# Altium PCB PCB_power_unit.PcbDoc (part 1 of 2) (continued)
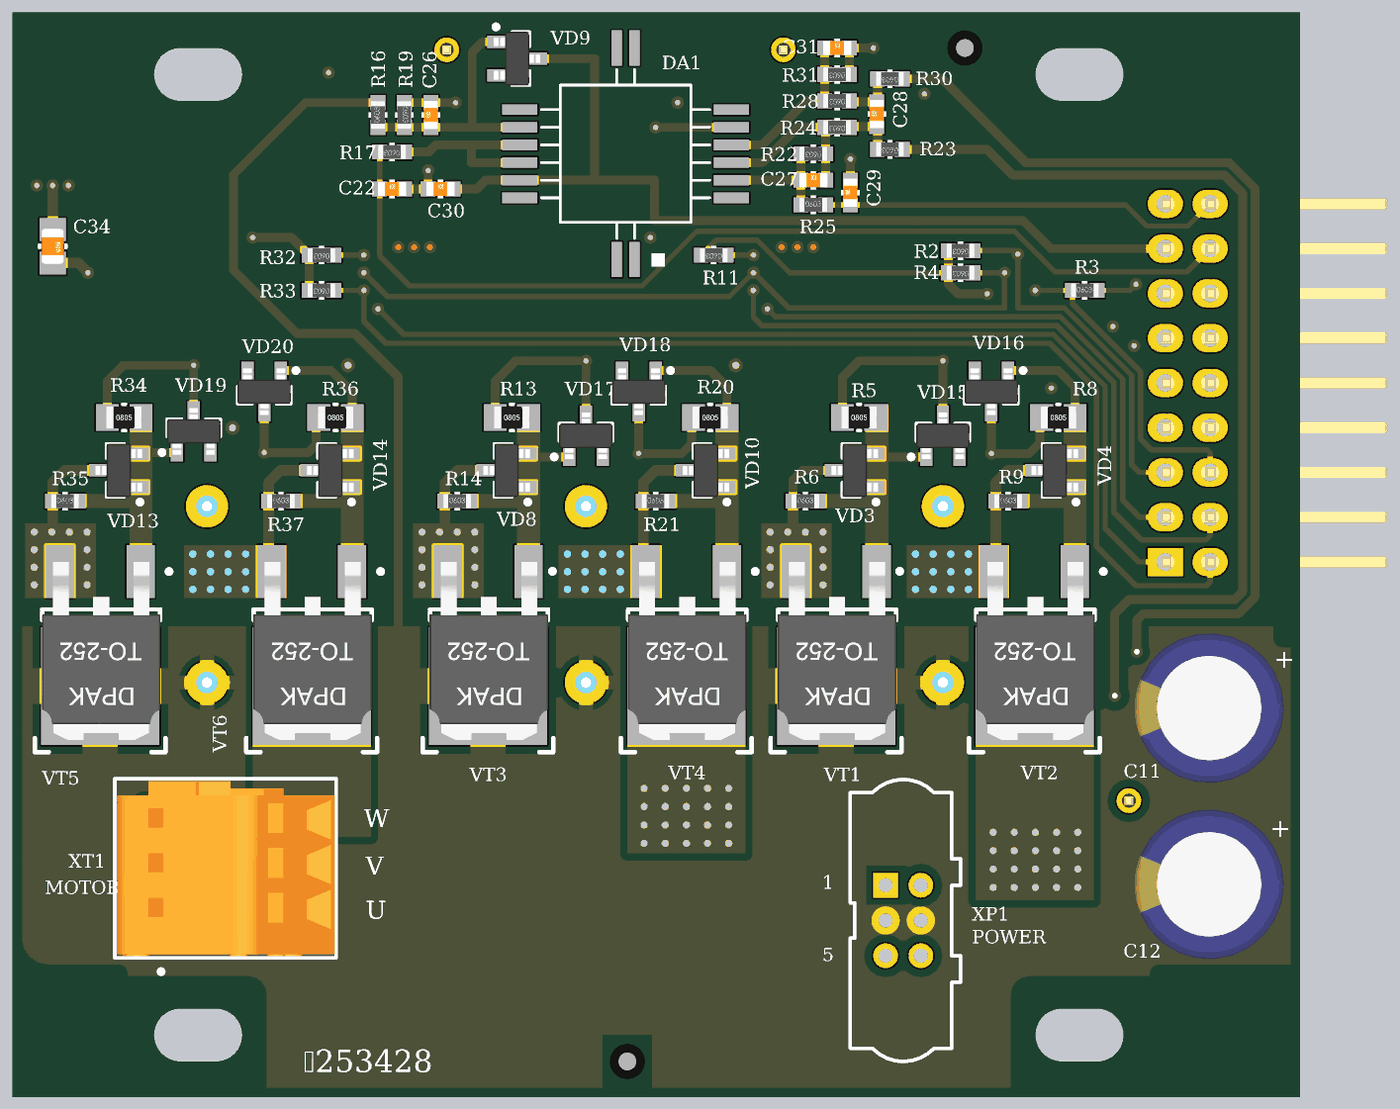
[diagram p6: 3D render of the assembled board from below, using the file's embedded part models]

## Layer stack, top to bottom
Top Solder: solder mask 0.0102, Solder Resist, Dk 3.5
Top Layer: signal copper 0.035
PREPREG1: prepreg 0.32, 2116+7628, Dk 4.2
INT1: signal copper 0.035
CORE1: core 0.71, FR-4, Dk 4.2
INT2: signal copper 0.035
PREPREG2: prepreg 0.32, 2116+7628, Dk 4.2
Bottom Layer: signal copper 0.035
Bottom Solder: solder mask 0.0102, Solder Resist, Dk 3.5

## Board outline
-11,-57.5 -11,-52.5 -19,-52.5 -19,-33.5 -18,-33.5 -18,-5 -11,-5 -11,0 cw(c-9,0) -9,2 46,2 cw(c46,0) 48,0 48,-5 52,-5 cw(c52,-7) 54,-7 54,-50.5 cw(c52,-50.5) 52,-52.5 48,-52.5 48,-57.5 cw(c46,-57.5) 46,-59.5 -9,-59.5 cw(c-9,-57.5)

## Design rules (kind name [scope] priority, off if disabled: settings)
AcuteAngle [All] p1: minimum=3.50000000000000E+0001 checktracksonly=FALSE
BoardOutlineClearance "BoardOutlineClearance 1" [All] p1: gap=0.5 ignorepadtopadclearanceinfootprint=FALSE except(0: Arc-SplitContinuation Track-SplitContinuation SMDPad-SplitContinuation THPad-SplitContinuation Via-SplitContinuation Fill-SplitContinuation Poly-SplitContinuation Region-SplitContinuation Text-SplitContinuation) // Milling
Clearance "KeepOutTrack to Polygon" [KeepoutRestrictionsTrack and OnBottom vs InPolygon] p1: gap=1 ignorepadtopadclearanceinfootprint=FALSE // зазор полигоном и ограничительной линией на Bot
Clearance "Clearance_+27V and PGND" [InNetClass('DCBUS') vs InNetClass('DCBUS')] p2: gap=0.5 ignorepadtopadclearanceinfootprint=FALSE // между 27В и PGND
Clearance Clearance_DCBUS [InNetClass('DCBUS') vs InNetClass('DCBUS')] p3: gap=0.5 ignorepadtopadclearanceinfootprint=FALSE // отступ от ЗПТ
Clearance Clearance_Phases [InNetClass('MotorPhases') vs InNetClass('MotorPhases')] p4: gap=0.4 ignorepadtopadclearanceinfootprint=FALSE // отступ от фаз мотора
Clearance Clearance_Polygon [InPolygon] p5: gap=0.4 ignorepadtopadclearanceinfootprint=FALSE except(0.35: Arc-Hole Track-Hole SMDPad-Hole THPad-Hole Via-Hole Fill-Hole Poly-Hole Region-Hole Text-Hole)
Clearance Clearance_MultiLayerPad [OnLayer('Multi-Layer') and IsPad] p6: gap=0.25 ignorepadtopadclearanceinfootprint=FALSE except(0.35: Arc-Hole Track-Hole SMDPad-Hole THPad-Hole Via-Hole Fill-Hole Poly-Hole Region-Hole Text-Hole)
Clearance "Clearance-1 1 Oz" [All] p7: gap=0.2 ignorepadtopadclearanceinfootprint=FALSE except(0.35: Arc-Hole Track-Hole SMDPad-Hole THPad-Hole Via-Hole Fill-Hole Poly-Hole Region-Hole Text-Hole) // Standart
ComponentClearance ComponentClearance_harwin [InComponent('XP1')] p1: gap=0.254 collisioncheckmode=3 verticalgap=2540 showdistances=FALSE
ComponentClearance ComponentClearance_caps [HasFootprint('CAP: 1210') vs HasFootprint('CAP: 1210')] p2: gap=-1 collisioncheckmode=3 verticalgap=2540 showdistances=FALSE
ComponentClearance [All] p3: gap=0.254 collisioncheckmode=3 verticalgap=0.254 showdistances=FALSE
DiffPairsRouting "DiffPairsRouting 1/2 Oz" [All] p1: maxlimit=0.254 minlimit=0.1 mostfreqgap=0.254 toplayer_minwidth=0.1 toplayer_maxwidth=0.381 toplayer_prefwidth=0.381 midlayer1_minwidth=0.1 midlayer1_maxwidth=0.381 midlayer1_prefwidth=0.381 midlayer2_minwidth=0.1 midlayer2_maxwidth=0.381 midlayer2_prefwidth=0.381 bottomlayer_minwidth=0.1 bottomlayer_maxwidth=0.381 bottomlayer_prefwidth=0.381 maxuncoupledlength=12.7
DiffPairsRouting "DiffPairsRouting 1 Oz" [All] p2: maxlimit=0.254 minlimit=0.2 mostfreqgap=0.254 toplayer_minwidth=0.2 toplayer_maxwidth=0.381 toplayer_prefwidth=0.381 midlayer1_minwidth=0.2 midlayer1_maxwidth=0.381 midlayer1_prefwidth=0.381 midlayer2_minwidth=0.2 midlayer2_maxwidth=0.381 midlayer2_prefwidth=0.381 bottomlayer_minwidth=0.2 bottomlayer_maxwidth=0.381 bottomlayer_prefwidth=0.381 maxuncoupledlength=12.7
DiffPairsRouting [All] p3: maxlimit=0.254 minlimit=0.15 mostfreqgap=0.254 toplayer_minwidth=0.15 toplayer_maxwidth=0.381 toplayer_prefwidth=0.381 midlayer1_minwidth=0.15 midlayer1_maxwidth=0.381 midlayer1_prefwidth=0.381 midlayer2_minwidth=0.15 midlayer2_maxwidth=0.381 midlayer2_prefwidth=0.381 bottomlayer_minwidth=0.15 bottomlayer_maxwidth=0.381 bottomlayer_prefwidth=0.381 maxuncoupledlength=12.7
HoleSize "Minimum HoleSize" [IsPad] p1: absolutevalues=TRUE maxlimit=5.9 minlimit=0.6 maxpercent=80.000 minpercent=20.000
HoleSize [All] p2: absolutevalues=TRUE maxlimit=5 minlimit=0.3 maxpercent=80.000 minpercent=20.000
HoleToHoleClearance Hole2HoleClearance [All] p1: gap=0.25 allowstackedmicrovias=FALSE
MinimumAnnularRing MinimumAnnularRing_1 [All] p1: minimumring=0.2 // Standart
MinimumSolderMaskSliver "SolderMask Bridge Standart" [All] p1: minsoldermaskwidth=0.15 // All Masks
PlaneClearance [All] p1: clearance=0.5
PlaneConnect [All] p1: planeconnectstyle=Relief reliefexpansion=0.5 reliefentries=4 reliefconductorwidth=0.3 reliefairgap=0.2
PolygonConnect PolygonConnect_direct [All vs InPadClass('PowerPAD') or InComponent('XP1')] p1: connectstyle=Direct reliefconductorwidth=1 reliefentries=4 polygonreliefangle="90 Angle" airgapwidth=0.3
PolygonConnect "PolygonConnect to +27V" [HasFootprint('DPAK') and InNet('+27V')] p2: connectstyle=Relief reliefconductorwidth=2 reliefentries=4 polygonreliefangle="90 Angle" airgapwidth=0.5 // connect to MOSFET pad
PolygonConnect PolygonConnect_Via [IsVia] p3: connectstyle=Direct reliefconductorwidth=0.254 reliefentries=4 polygonreliefangle="90 Angle" airgapwidth=0.254
PolygonConnect [All] p4: connectstyle=Relief reliefconductorwidth=0.8 reliefentries=4 polygonreliefangle="90 Angle" airgapwidth=0.4
RoutingCorners [All] p1 off: cornerstyle=45-Degree minsetback=2.54 maxsetback=2.54
RoutingVias [All] p1: holewidth=0.3 width=0.7 viastyle="Through Hole" minholewidth=0.3 minwidth=0.6 maxholewidth=5.9 maxwidth=6.4
SilkToSilkClearance Silk2SilkClearance [All] p1 off: silktosilkclearance=0.15
SilkToSolderMaskClearance Silk2SolderMaskClearance [IsPad] p1 off: minsilkscreentomaskgap=0.15 clearancetoexposedcopper=TRUE
SolderMaskExpansion SolderMaskExpansion-1 [All] p1: expansion=0.1 // Standart
UnRoutedNet [All] p1: checkbadconnections=TRUE
Width "Width Silk" [OnSilkscreen] p1: maxlimit=10 minlimit=0.15 preferedwidth=0.2 checkconnectedcopper=TRUE // Standart
Width "Width 1 Oz" [All] p2: maxlimit=10 minlimit=0.15 preferedwidth=0.3 minimp=50.000000 maximp=50.000000 favimp=50.000000 checkconnectedcopper=TRUE // Standart
19 further rules are at their usual default settings.

## Classes and differential pairs
net class MotorPhases: U V W
net class DCBUS: +27V PGND
pad class PowerPad: XT1-1 XT1-2 XT1-3

## Components (designator, comment, footprint, x,y, rotation, side; value= is the part's Value field where it differs from the comment)
C1 "Tantalum capacitor, 10мк, 25V, ±10%, 0.8-1Ohm, case C (6032), -60...+125°C" "CAP: TANTAL-C" 9.505,-22.5 r270 top locked value=10мк
C2 "Tantalum capacitor, 10мк, 25V, ±10%, 0.8-1Ohm, case C (6032), -60...+125°C" "CAP: TANTAL-C" 31.505,-22.5 r270 top locked value=10мк
C3 "Tantalum capacitor, 10мк, 25V, ±10%, 0.8-1Ohm, case C (6032), -60...+125°C" "CAP: TANTAL-C" 51.25,-22.5 r270 top locked value=10мк
C4 "Ceramic capacitor, 1мк, Н20 (X7R), ±10%, 25V, 1210, -55...+125°C" "CAP: 1210" 9.5,-11 r270 top locked value=1мк
C6 "Ceramic capacitor, 0.1мк, Н90 (Y5V), +80 -20%, 50V, 0805 (2012), -55...+125°C" "CAP: 0805P" 6.75,-11.75 r270 top value=0.1мк
C7 "Film capacitor, 0.22мк, 63VDC, ±10%, Impedance, 12x10 mm, -60...+125°C" "CAP: K73-17 12X10X6" 1.25,-31 r90 top locked value=0.22мк
C8 "Ceramic capacitor, 1мк, Н20 (X7R), ±10%, 25V, 1210, -55...+125°C" "CAP: 1210" 5.5,-21 r90 top locked value=1мк
C10 "Ceramic capacitor, 0.1мк, Н90 (Y5V), +80 -20%, 50V, 0805 (2012), -55...+125°C" "CAP: 0805P" 2.55,-20.2 r90 top value=0.1мк
C11 "Aluminium capacitor, 100мк, 63V, ±20%, 0.342Ohm@100kHz, 8x11.3x3.5 mm, -60...+100°C" "CAP: D8C3.5H12" -13.85,-37.448 r0 bottom locked value=100мк
C12 "Aluminium capacitor, 100мк, 63V, ±20%, 0.342Ohm@100kHz, 8x11.3x3.5 mm, -60...+100°C" "CAP: D8C3.5H12" -13.85,-47.448 r0 bottom locked value=100мк
C13 "Tantalum capacitor, 4.7мк, 10V, ±10%, 2Ohm, case A (3216), -55...+125°C" "CAP: TANTAL-A" 2.4,-5.9 r0 top value=4.7мк
C14 "Ceramic capacitor, 0.1мк, H90, +80-20%, 10V, 0603, -55...+125°C" "CAP: 0603P" 1.6,-3.75 r180 top value=0.1мк
C15 "Ceramic capacitor, 1мк, Н20 (X7R), ±10%, 25V, 1210, -55...+125°C" "CAP: 1210" 31.25,-11 r270 top locked value=1мк
C17 "Ceramic capacitor, 0.1мк, Н90 (Y5V), +80 -20%, 50V, 0805 (2012), -55...+125°C" "CAP: 0805P" 28.616,-11.75 r270 top value=0.1мк
C18 "Film capacitor, 0.22мк, 63VDC, ±10%, Impedance, 12x10 mm, -60...+125°C" "CAP: K73-17 12X10X6" 21.5,-31 r90 top locked value=0.22мк
C19 "Ceramic capacitor, 1мк, Н20 (X7R), ±10%, 25V, 1210, -55...+125°C" "CAP: 1210" 27.5,-21 r90 top locked value=1мк
C21 "Ceramic capacitor, 0.1мк, Н90 (Y5V), +80 -20%, 50V, 0805 (2012), -55...+125°C" "CAP: 0805P" 24.1,-20.2 r90 top value=0.1мк
C22 "Ceramic capacitor, 0.01мк, H20, ±20%, 50V, 0603, -55...+125°C" "CAP: 0603P" 32.5,-8 r180 bottom value=0.01мк
C23 "Ceramic capacitor, 0.1мк, H90, +80-20%, 10V, 0603, -55...+125°C" "CAP: 0603P" 11.75,-5.4 r270 top value=0.1мк
C24 "Tantalum capacitor, 4.7мк, 10V, ±10%, 2Ohm, case A (3216), -55...+125°C" "CAP: TANTAL-A" 13.75,-4.6 r90 top value=4.7мк
C25 "Ceramic capacitor, 0.01мк, H20, ±20%, 50V, 0603, -55...+125°C" "CAP: 0603P" -8.55,-22.55 r270 top value=0.01мк
C26 "Ceramic capacitor, 0.01мк, H20, ±20%, 50V, 0603, -55...+125°C" "CAP: 0603P" 30.3,-3.8 r90 bottom value=0.01мк
C27 "Ceramic capacitor, 47, МП0, ±10%, 50V, 0603, -55...+125°C" "CAP: 0603P" 8.6,-7.5 r180 bottom value=47
C28 "Ceramic capacitor, 0.01мк, H20, ±20%, 50V, 0603, -55...+125°C" "CAP: 0603P" 5,-3.75 r90 bottom value=0.01мк
C29 "Ceramic capacitor, 0.01мк, H20, ±20%, 50V, 0603, -55...+125°C" "CAP: 0603P" 6.5,-8.2 r90 bottom value=0.01мк
C30 "Ceramic capacitor, 0.1мк, H90, +80-20%, 10V, 0603, -55...+125°C" "CAP: 0603P" 29.75,-8 r180 bottom value=0.1мк
C31 "Ceramic capacitor, 47, МП0, ±10%, 50V, 0603, -55...+125°C" "CAP: 0603P" 7.25,0 r180 bottom value=47
C32 "Ceramic capacitor, 1мк, Н20 (X7R), ±10%, 25V, 1210, -55...+125°C" "CAP: 1210" 51.75,-11 r270 top locked value=1мк
C34 "Ceramic capacitor, 0.1мк, Н90 (Y5V), +80 -20%, 50V, 0805 (2012), -55...+125°C" "CAP: 0805P" 51.75,-11.25 r270 bottom value=0.1мк
C35 "Film capacitor, 0.22мк, 63VDC, ±10%, Impedance, 12x10 mm, -60...+125°C" "CAP: K73-17 12X10X6" 43,-31 r90 top locked value=0.22мк
C36 "Ceramic capacitor, 1мк, Н20 (X7R), ±10%, 25V, 1210, -55...+125°C" "CAP: 1210" 47,-21.75 r90 top locked value=1мк
C38 "Ceramic capacitor, 0.1мк, Н90 (Y5V), +80 -20%, 50V, 0805 (2012), -55...+125°C" "CAP: 0805P" 44,-22.5 r90 top value=0.1мк
C39 "Tantalum capacitor, 4.7мк, 10V, ±10%, 2Ohm, case A (3216), -55...+125°C" "CAP: TANTAL-A" 36.1,-4.6 r90 top value=4.7мк
C40 "Ceramic capacitor, 0.1мк, H90, +80-20%, 10V, 0603, -55...+125°C" "CAP: 0603P" 33.9,-5.4 r270 top value=0.1мк
DA1 "544УД16У3 (Н04.16-1В) АЕЯР.431130.510 ТУ_разнесенная 1" 16-Н04.16-1B 19.25,-6 r0 bottom locked
DD1 "Hight&Low side gate driver, VoltageWork, Frequency, 2A, supply 4...15V, Temperature, Н04.16-2В" 16-Н04.16-1B -2,-12.25 r180 top locked
DD2 "Hight&Low side gate driver, VoltageWork, Frequency, 2A, supply 4...15V, Temperature, Н04.16-2В" 16-Н04.16-1B 19.75,-12.25 r180 top locked
DD3 "Hight&Low side gate driver, VoltageWork, Frequency, 2A, supply 4...15V, Temperature, Н04.16-2В" 16-Н04.16-1B 42,-12.25 r180 top locked
R1 "Resistor film, 10, ±5%, 0603, 0.1W, -55...+125°C" "RES: 0603P" 3.25,-17.2 r0 top value=10
R2 "Resistor film, 10k, ±5%, 0603, 0.1W, -55...+125°C" "RES: 0603P" 0.25,-11.5 r0 bottom value=10k
R3 "Resistor film, 10k, ±5%, 0603, 0.1W, -55...+125°C" "RES: 0603P" -6.8,-13.75 r180 bottom value=10k
R4 "Resistor film, 10k, ±5%, 0603, 0.1W, -55...+125°C" "RES: 0603P" 0.25,-12.75 r0 bottom value=10k
R5 "Resistor film, 20, ±1%, 0805, 0.125W, -55...+125°C" "RES: 0805P" 6,-20.962 r180 bottom value=20
R6 "Resistor film, 10k, ±5%, 0603, 0.1W, -55...+125°C" "RES: 0603P" 9.05,-25.712 r180 bottom value=10k
R7 "Resistor film, 10k, ±1%, 0805, 0.125W, -55...+125°C" "RES: 0805P" -14.6,-33.6 r180 top value=10k
R8 "Resistor film, 20, ±1%, 0805, 0.125W, -55...+125°C" "RES: 0805P" -5.3,-20.962 r180 bottom value=20
R9 "Resistor film, 10k, ±5%, 0603, 0.1W, -55...+125°C" "RES: 0603P" -2.45,-25.712 r180 bottom value=10k
R10 "Resistor film, 10, ±5%, 0603, 0.1W, -55...+125°C" "RES: 0603P" 24.8,-17.2 r0 top value=10
R11 "Resistor film, 10k, ±5%, 0603, 0.1W, -55...+125°C" "RES: 0603P" 14.25,-11.75 r0 bottom value=10k
R12 "Resistor film, 10k, ±5%, 0603, 0.1W, -55...+125°C" "RES: 0603P" 14,-16.74 r0 top value=10k
R13 "Resistor film, 20, ±1%, 0805, 0.125W, -55...+125°C" "RES: 0805P" 25.7,-20.962 r180 bottom value=20
R14 "Resistor film, 10k, ±5%, 0603, 0.1W, -55...+125°C" "RES: 0603P" 28.8,-25.712 r180 bottom value=10k
R15 "Resistor film, 28k, ±1%, 0603, 0.1W, -55...+125°C" "RES: 0603P" -6.05,-22.55 r270 top value=28k
R16 "Resistor film, 28k, ±1%, 0603, 0.1W, -55...+125°C" "RES: 0603P" 33.3,-3.8 r90 bottom value=28k
R17 "Resistor film, 100, ±5%, 0603, 0.1W, -55...+125°C" "RES: 0603P" 32.5,-5.9 r0 bottom value=100
R18 "Resistor film, 4.02k, ±1%, 0603, 0.1W, -55...+125°C" "RES: 0603P" -7.3,-22.55 r90 top value=4.02k
R19 "Resistor film, 1k, ±1%, 0603, 0.1W, -55...+125°C" "RES: 0603P" 31.8,-3.8 r270 bottom value=1k
R20 "Resistor film, 20, ±1%, 0805, 0.125W, -55...+125°C" "RES: 0805P" 14.45,-20.962 r180 bottom value=20
R21 "Resistor film, 10k, ±5%, 0603, 0.1W, -55...+125°C" "RES: 0603P" 17.55,-25.712 r180 bottom value=10k
R22 "Resistor film, 2.61k, ±1%, 0603, 0.1W, -55...+125°C" "RES: 0603P" 8.6,-6 r0 bottom value=2.61k
R23 "Resistor film, 100, ±5%, 0603, 0.1W, -55...+125°C" "RES: 0603P" 4.25,-5.75 r0 bottom value=100
R24 "Resistor film, 1k, ±1%, 0603, 0.1W, -55...+125°C" "RES: 0603P" 7.25,-4.5 r0 bottom value=1k
R25 "Resistor film, 100, ±5%, 0603, 0.1W, -55...+125°C" "RES: 0603P" 8.6,-8.9 r180 bottom value=100
R26 "Resistor film, 0.1, ±1%, 2512, 0.75W, -55...+125°C" "RES: 2512" -4.394,-35.75 r270 top value=0.1
R27 "Resistor film, 0.1, ±1%, 2512, 0.75W, -55...+125°C" "RES: 2512" -8.5,-35.75 r270 top value=0.1
R28 "Resistor film, 1k, ±1%, 0603, 0.1W, -55...+125°C" "RES: 0603P" 7.25,-3 r0 bottom value=1k
R29 "Resistor film, 10, ±5%, 0603, 0.1W, -55...+125°C" "RES: 0603P" 47.7,-17.2 r0 top value=10
R30 "Resistor film, 100, ±5%, 0603, 0.1W, -55...+125°C" "RES: 0603P" 4.25,-1.75 r0 bottom value=100
R31 "Resistor film, 2.61k, ±1%, 0603, 0.1W, -55...+125°C" "RES: 0603P" 7.25,-1.5 r0 bottom value=2.61k
R32 "Resistor film, 10k, ±5%, 0603, 0.1W, -55...+125°C" "RES: 0603P" 36.5,-11.75 r0 bottom value=10k
R33 "Resistor film, 10k, ±5%, 0603, 0.1W, -55...+125°C" "RES: 0603P" 36.5,-13.75 r0 bottom value=10k
R34 "Resistor film, 20, ±1%, 0805, 0.125W, -55...+125°C" "RES: 0805P" 47.7,-20.962 r180 bottom value=20
R35 "Resistor film, 10k, ±5%, 0603, 0.1W, -55...+125°C" "RES: 0603P" 51.05,-25.712 r180 bottom value=10k
R36 "Resistor film, 20, ±1%, 0805, 0.125W, -55...+125°C" "RES: 0805P" 35.7,-20.962 r180 bottom value=20
R37 "Resistor film, 10k, ±5%, 0603, 0.1W, -55...+125°C" "RES: 0603P" 38.8,-25.712 r180 bottom value=10k
R38 "Resistor film, 5.9k, ±5%, 0805, 0.1W, -55...+125°C" "RES: 0805P" -15.6,-44.3 r90 top value=5.9k
REP1 "" REPER 37.25,-52.5 r0 top
REP2 "" REPER 0,0 r0 top
REP3 "" REPER 19.15,-57.5 r180 bottom
REP4 "" REPER 0,0 r180 bottom
VD1 "shottki diode, 80V, 500mA; max 5 A@1ms, 0.8V, <22ns, SOT-23, -55...+150°C" SOT23 9.5,-16 r90 top
VD2 "Zener diode, 56V, 8A, 0.9V, RecoveryTime, SMB, -55...+150°C" "DIODE: SMB" 8.25,-37 r180 top locked
VD3 "TVS diode, 18V, 1A, VoltageDrop, RecoveryTime, SOT-23, -55...+150°C" SOT23 6.25,-23.962 r0 bottom
VD4 "TVS diode, 18V, 1A, VoltageDrop, RecoveryTime, SOT-23, -55...+150°C" SOT23 -5.1,-23.962 r0 bottom
VD5 "shottki diode, 80V, 500mA; max 5 A@1ms, 0.8V, <22ns, SOT-23, -55...+150°C" SOT23 31.25,-16 r90 top
VD6 "Zener diode, 56V, 8A, 0.9V, RecoveryTime, SMB, -55...+150°C" "DIODE: SMB" 36,-37 r0 top locked
VD7 "shottki diode, 80V, 500mA; max 5 A@1ms, 0.8V, <22ns, SOT-23, -55...+150°C" SOT23 -7.6,-18.8 r90 top
VD8 "TVS diode, 18V, 1A, VoltageDrop, RecoveryTime, SOT-23, -55...+150°C" SOT23 26,-23.962 r0 bottom
VD9 "shottki diode, 80V, 500mA; max 5 A@1ms, 0.8V, <22ns, SOT-23, -55...+150°C" SOT23 25.4,-0.6 r180 bottom
VD10 "TVS diode, 18V, 1A, VoltageDrop, RecoveryTime, SOT-23, -55...+150°C" SOT23 14.7,-23.962 r0 bottom
VD11 "shottki diode, 80V, 500mA; max 5 A@1ms, 0.8V, <22ns, SOT-23, -55...+150°C" SOT23 51.7,-16 r90 top
VD12 "Zener diode, 56V, 8A, 0.9V, RecoveryTime, SMB, -55...+150°C" "DIODE: SMB" 28.25,-37 r180 top locked
VD13 "TVS diode, 18V, 1A, VoltageDrop, RecoveryTime, SOT-23, -55...+150°C" SOT23 48,-23.962 r0 bottom
VD14 "TVS diode, 18V, 1A, VoltageDrop, RecoveryTime, SOT-23, -55...+150°C" SOT23 36,-23.962 r0 bottom
VD15 "shottki diode, 80V, 500mA; max 5 A@1ms, 0.8V, <22ns, SOT-23, -55...+150°C" SOT23 1.25,-22 r90 bottom
VD16 "shottki diode, 80V, 500mA; max 5 A@1ms, 0.8V, <22ns, SOT-23, -55...+150°C" SOT23 -1.5,-19.5 r270 bottom
VD17 "shottki diode, 80V, 500mA; max 5 A@1ms, 0.8V, <22ns, SOT-23, -55...+150°C" SOT23 21.5,-22 r90 bottom
VD18 "shottki diode, 80V, 500mA; max 5 A@1ms, 0.8V, <22ns, SOT-23, -55...+150°C" SOT23 18.5,-19.5 r270 bottom
VD19 "shottki diode, 80V, 500mA; max 5 A@1ms, 0.8V, <22ns, SOT-23, -55...+150°C" SOT23 43.75,-21.75 r90 bottom
VD20 "shottki diode, 80V, 500mA; max 5 A@1ms, 0.8V, <22ns, SOT-23, -55...+150°C" SOT23 39.75,-19.5 r270 bottom
VD21 "LED, 20mA max, 2.1V typ, 1608, -55...+150°C" "LED: 0603G" -15.6,-40.7 r270 top
VT1 "MOSFET N-channel transistor, 100V, 32A@+25°C, 59nC, 2.5W, 45mOhm, 3200pF, DPAK (KT-89), -55...+150°C" DPAK 7.3,-32.95 r270 bottom
VT2 "MOSFET N-channel transistor, 100V, 32A@+25°C, 59nC, 2.5W, 45mOhm, 3200pF, DPAK (KT-89), -55...+150°C" DPAK -3.95,-32.95 r270 bottom
VT3 "MOSFET N-channel transistor, 100V, 32A@+25°C, 59nC, 2.5W, 45mOhm, 3200pF, DPAK (KT-89), -55...+150°C" DPAK 27.05,-32.95 r270 bottom
VT4 "MOSFET N-channel transistor, 100V, 32A@+25°C, 59nC, 2.5W, 45mOhm, 3200pF, DPAK (KT-89), -55...+150°C" DPAK 15.8,-32.95 r270 bottom
VT5 "MOSFET N-channel transistor, 100V, 32A@+25°C, 59nC, 2.5W, 45mOhm, 3200pF, DPAK (KT-89), -55...+150°C" DPAK 49.05,-32.95 r270 bottom
VT6 "MOSFET N-channel transistor, 100V, 32A@+25°C, 59nC, 2.5W, 45mOhm, 3200pF, DPAK (KT-89), -55...+150°C" DPAK 37.05,-32.95 r270 bottom
XP1 "Power" "CON: M80-5000605" 3.5,-55 r180 bottom locked
XP2 "Connector, 18pin, 2.54mm, 500VAC, 3A" "CON: PLD-18R" -13.91,-8.84 r90 top locked
XP3 "AGND" "CON: PLS2-1" 29.4,-0.1 r0 top
XP4 "AGND" "CON: PLS2-1" 10.3,-0.1 r0 top
XP5 "AGND" "CON: PLS2-1" -9.3,-42.7 r0 top
XT1 "Terminal connector, 3pin, 3.5mm, 300VAC, 6A" "CON: 233-403 WAGO" 40.6,-48.8 r90 bottom locked

## Footprints (in the part's own frame and the unit in brackets; to place one, negate y for a bottom-side part, rotate by r counter-clockwise, add the part's x,y. Pads: shape width x height; smd on the part's side, far side on the other; paste and mask are expansions set on the pad)
16-Н04.16-1B [mm] "USSR"
  rect 0.6x2 smd: 1(-0.5,6) 8(-0.5,-6) 9(0.5,-6) 16(0.5,6)
  rect 2x0.6 smd: 2(-6,2.5) 3(-6,1.5) 4(-6,0.5) 5(-6,-0.5) 6(-6,-1.5) 7(-6,-2.5) 10(6,-2.5) 11(6,-1.5) 12(6,-0.5) 13(6,0.5) 15(6,2.5)
  rect 2x0.6 smd mask+0.075: 14(6,1.5)
  silkscreen extent -4.77,-4.77 4.77,6.4, body extent -7.84,-8 7.84,8, height 2.92
"CAP: 0603P" [mm] "small var"
  rect 0.85x0.85 smd: 1(-0.7,0) 2(0.7,0)
  silkscreen extent -0.15,-0.52 0.15,0.53, body extent -0.8,-0.4 0.8,0.4, height 0.3
"CAP: 0805P" [mm] "small footprint"
  rect 1.3x1.5 smd: 1(-0.95,0) 2(0.95,0)
  Top Layer pour cut-out: -0.25,-0.75 -0.25,0.75 0.25,0.75 0.25,-0.75
  silkscreen extent -0.08,-0.75 0.08,0.75, body extent -1,-0.62 1,0.63, height 0.78
"CAP: 1210" [mm]
  rect 1.1x2.6 smd: 1(-1.75,0) 2(1.75,0)
  silkscreen extent -2.5,-1.5 2.5,1.5, body extent -2,-1.24 2,1.24, height 1.7
"CAP: D8C3.5H12" [mm]
  rect 1.8x1.8 hole 1: 1(-1.75,0)
  round 1.8 hole 1: 2(1.75,0)
  silkscreen extent -4,-4 4,4, body extent -4.25,-4.25 4.25,4.25, height 13
"CAP: K73-17 12X10X6" [mm] "63V, 0.22uF"
  round 2.4 hole 1.2: 1(-5,0) 2(5,0)
  silkscreen extent -6,-3 6,3, body extent -6.5,-2.5 6.5,2.5, height 12.7
"CAP: TANTAL-A" [mm]
  rect 1.65x1.4 smd: 1(-1.5,0) 2(1.5,0)
  silkscreen extent -2.58,-0.95 2.58,0.95, body extent -1.7,-0.84 1.7,0.84, height 1.71
"CAP: TANTAL-C" [mm]
  rect 2.6x2.9 smd: 1(-2.5,0) 2(2.5,0)
  silkscreen extent -4.05,-1.7 4.05,1.7, body extent -3.05,-1.67 3.05,1.68, height 2.7
"CON: 233-403 WAGO" [mm] "pcb terminal strip"
  round 2 hole 1.2: 1(0,0) 2(2.54,0) 2(2.54,5) 3(5.08,0) 3(5.08,5)
  rect 2x2 hole 1.2: 1(0,5)
  silkscreen extent -3.72,-4.93 7.35,7.63, body extent -2.72,-4.85 7.2,7.48, height 11.73
"CON: M80-5000605" [mm] "HR500"
  rect 1.4x1.4 hole 0.8: 1(-1,7.5)
  round 1.4 hole 0.8: 2(1,7.5) 3(-1,5.5) 4(1,5.5) 5(-1,3.5) 6(1,3.5)
  silkscreen extent -3,-2.5 3.25,13.5, body extent -2.78,-2.5 3.27,13.5, height 5.6
"CON: PLD-18R" [mm] "шаг 2.54,  угловая вилка"
  rect 1.6x2 hole 1 paste+0: 1(-20.32,-2.54)
  oval 1.6x2 hole 1 paste+0: 2(-20.32,0) 3(-17.78,-2.54) 4(-17.78,0) 5(-15.24,-2.54) 6(-15.24,0) 7(-12.7,-2.54) 8(-12.7,0) 9(-10.16,-2.54) 10(-10.16,0) 11(-7.62,-2.54) 12(-7.62,0) 13(-5.08,-2.54) 14(-5.08,0) 15(-2.54,-2.54) 16(-2.54,0) 17(0,-2.54) 18(0,0)
  round 0.5 on Top Overlay: ""(-21.57,-3.27)
  silkscreen extent -21.77,-2.77 1.39,1.5, body extent -21.59,-2.82 1.27,10.08, height 5.08
"CON: PLS2-1" [mm] "1 Position,pitch 2mm"
  round 1.4 hole 0.8: 1(0,0)
  silkscreen extent -0.92,-0.92 0.92,0.92, body extent -1,-1 1,1, height 6
"DIODE: SMB" [mm]
  rect 2.5x2.3 smd: 1(-2.15,0) 2(2.15,0)
  silkscreen extent -2.3,-2 2.2,2, body extent -2.75,-1.95 2.75,1.95, height 2.45
DPAK [mm]
  rect 3x1.6 smd: 1(-3.25,2.29) 2(-3.25,-2.29)
  rect 6.7x6.7 smd: 3(3.25,0)
  round 0.5 on Mech2: ""(-3.2,2.9)
  silkscreen extent -3.39,-3.72 7,3.72, body extent -3.8,-3.32 6.3,3.42, height 2.37
"LED: 0603G" [mm]
  rect 0.85x0.85 smd: 1(-0.7,0) 2(0.7,0)
  silkscreen extent -1.33,-0.63 1.33,0.63, body extent -0.8,-0.4 0.8,0.4, height 0.6
REPER [mm] "реперная метка для станка"
  round 1 smd mask+0.5: R(0,0)
  Top Layer pour cut-out: 0.017,-1 -0.367,-0.93 -0.695,-0.719 -0.917,-0.399 -1,-0.017 -1,-0.017 -0.93,0.366 -0.719,0.695 -0.399,0.917 -0.017,1 -0.017,1 0.367,0.93 0.695,0.719 0.917,0.399 1,0.017 1,0.017 0.93,-0.367 0.719,-0.695 0.399,-0.917 0.017,-1
"RES: 0603P" [mm] "small footprint"
  rect 0.85x0.85 smd: 1(-0.7,0) 2(0.7,0)
  silkscreen extent -0.15,-0.52 0.15,0.53, body extent -0.8,-0.4 0.8,0.4, height 0.44
"RES: 0805P" [mm] "small footprint"
  rect 1.3x1.5 smd: 1(-0.95,0) 2(0.95,0)
  Top Layer pour cut-out: -0.25,-0.75 -0.25,0.75 0.25,0.75 0.25,-0.75
  silkscreen extent -0.08,-0.75 0.08,0.75, body extent -1,-0.62 1,0.63, height 0.6
"RES: 2512" [mm]
  rect 1x3.3 smd: 1(-3.1,0) 2(3.1,0)
  silkscreen extent -3.8,-1.85 3.8,1.85, body extent -3.17,-1.6 3.18,1.6, height 0.52
SOT23 [mm]
  rect 1x0.7 smd: 1(-1.2,0.95) 2(-1.2,-0.95) 3(1.2,0)
  silkscreen extent -1.32,-1.5 0.7,1.92, body extent -1.32,-1.52 1.32,1.52, height 1.12